# Altium PCB BB.PcbDoc (part 1 of 5)
Units mil, origin at the board's own origin, x right, y up, seen from the top; angles counter-clockwise.
Board outline 6700 x 3500 mil, 4 copper layers (Component Side, Ground Plane, Power Plane, Solder Side), stack 61.197 mil thick; 420 components, 358 nets, 1634 pads, 962 vias.
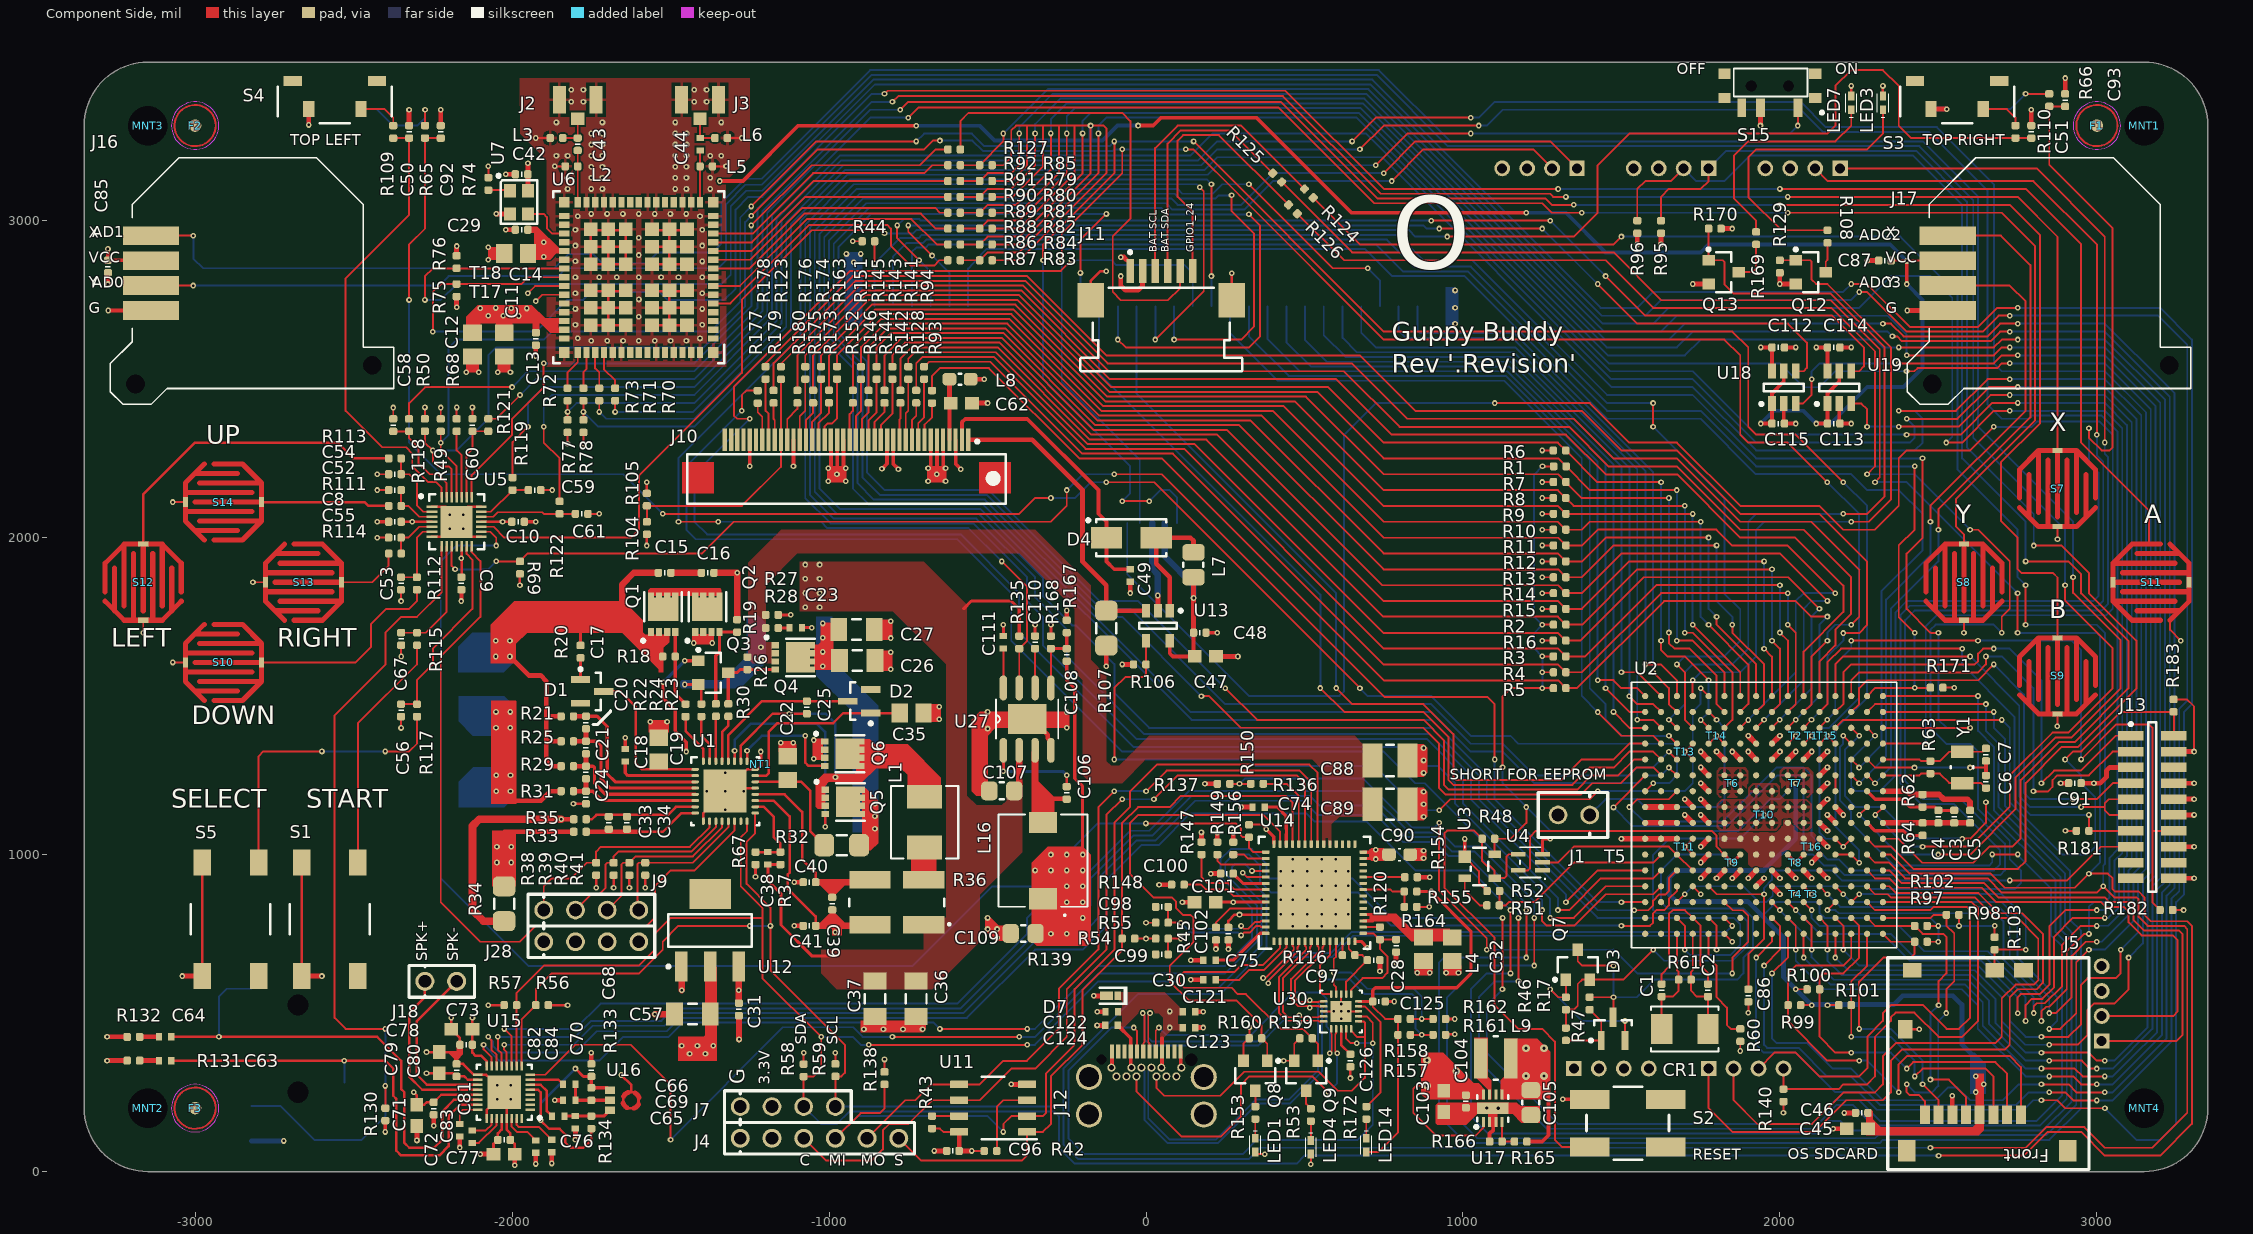
[diagram p0: Component Side view]
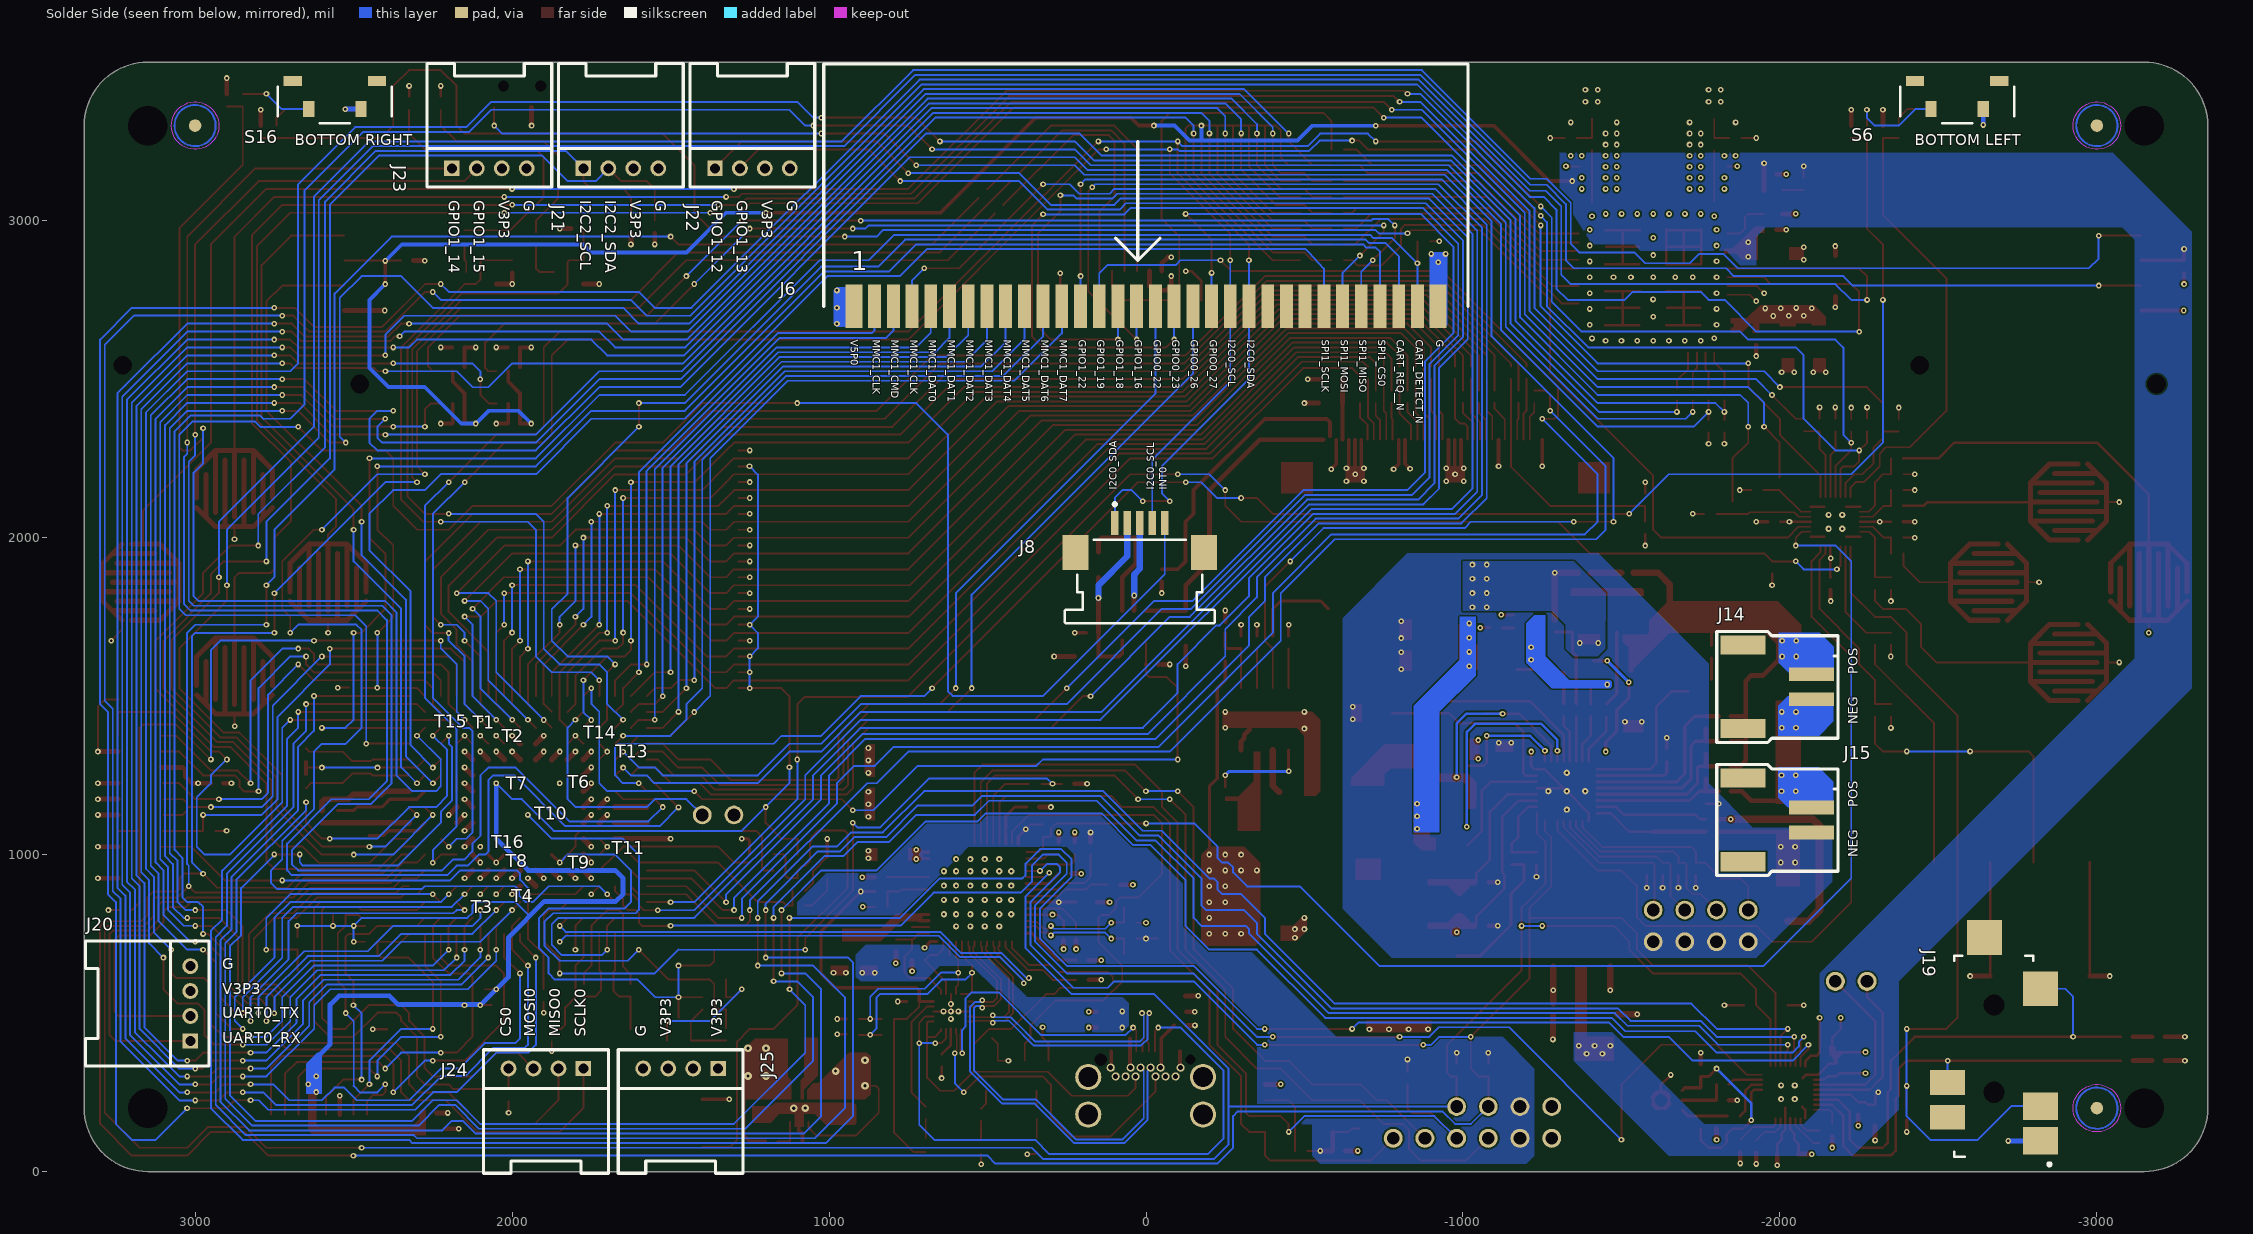
[diagram p1: Solder Side view, seen from below]
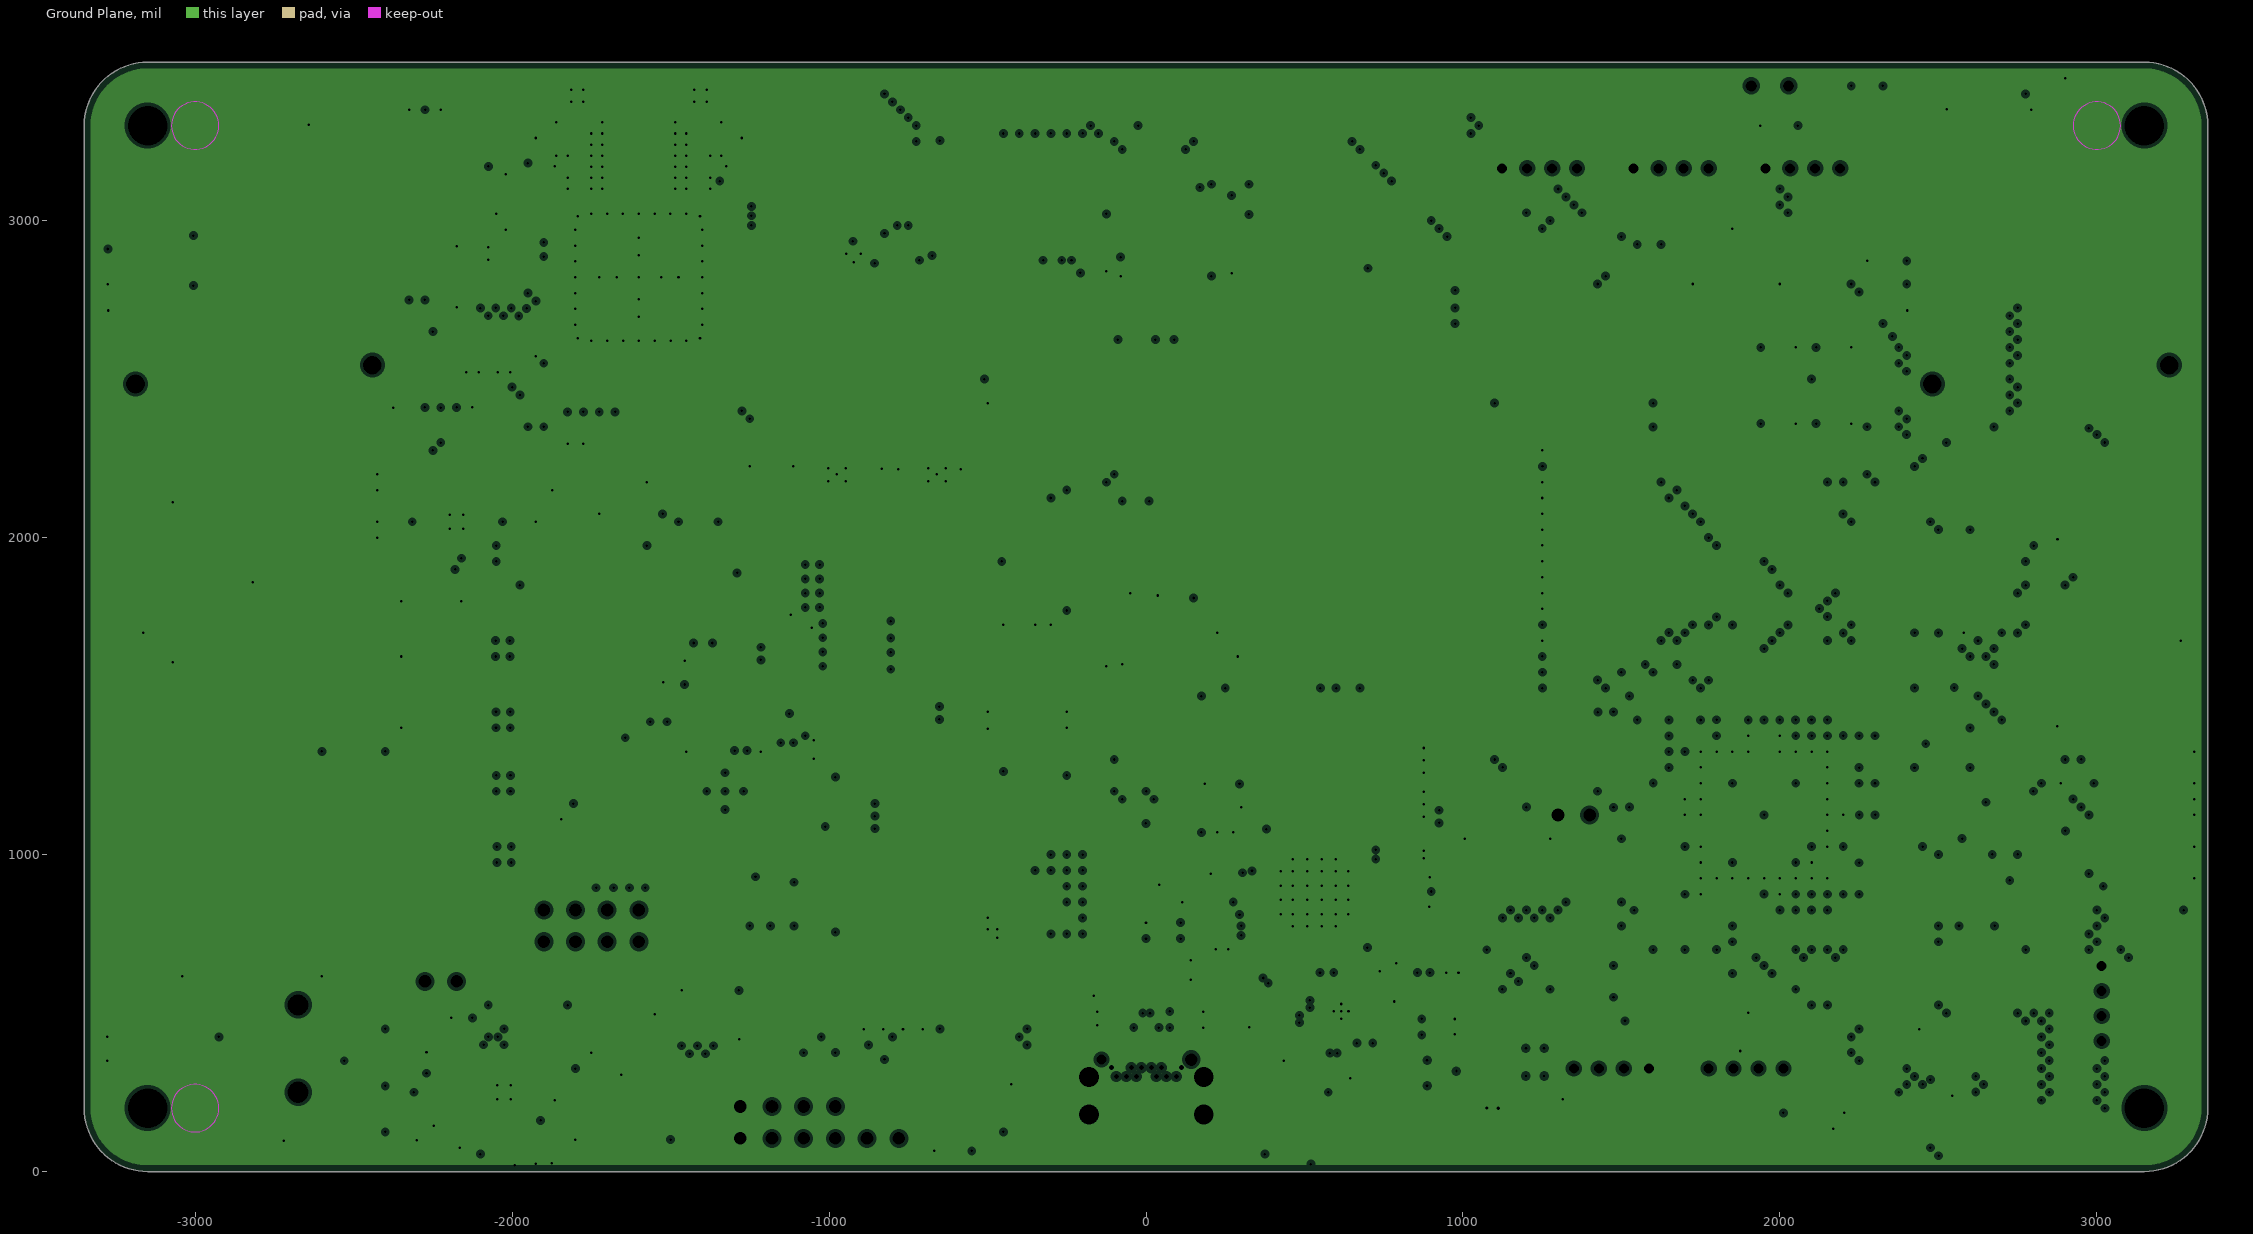
[diagram p2: Ground Plane, clearances drawn from the general rule]
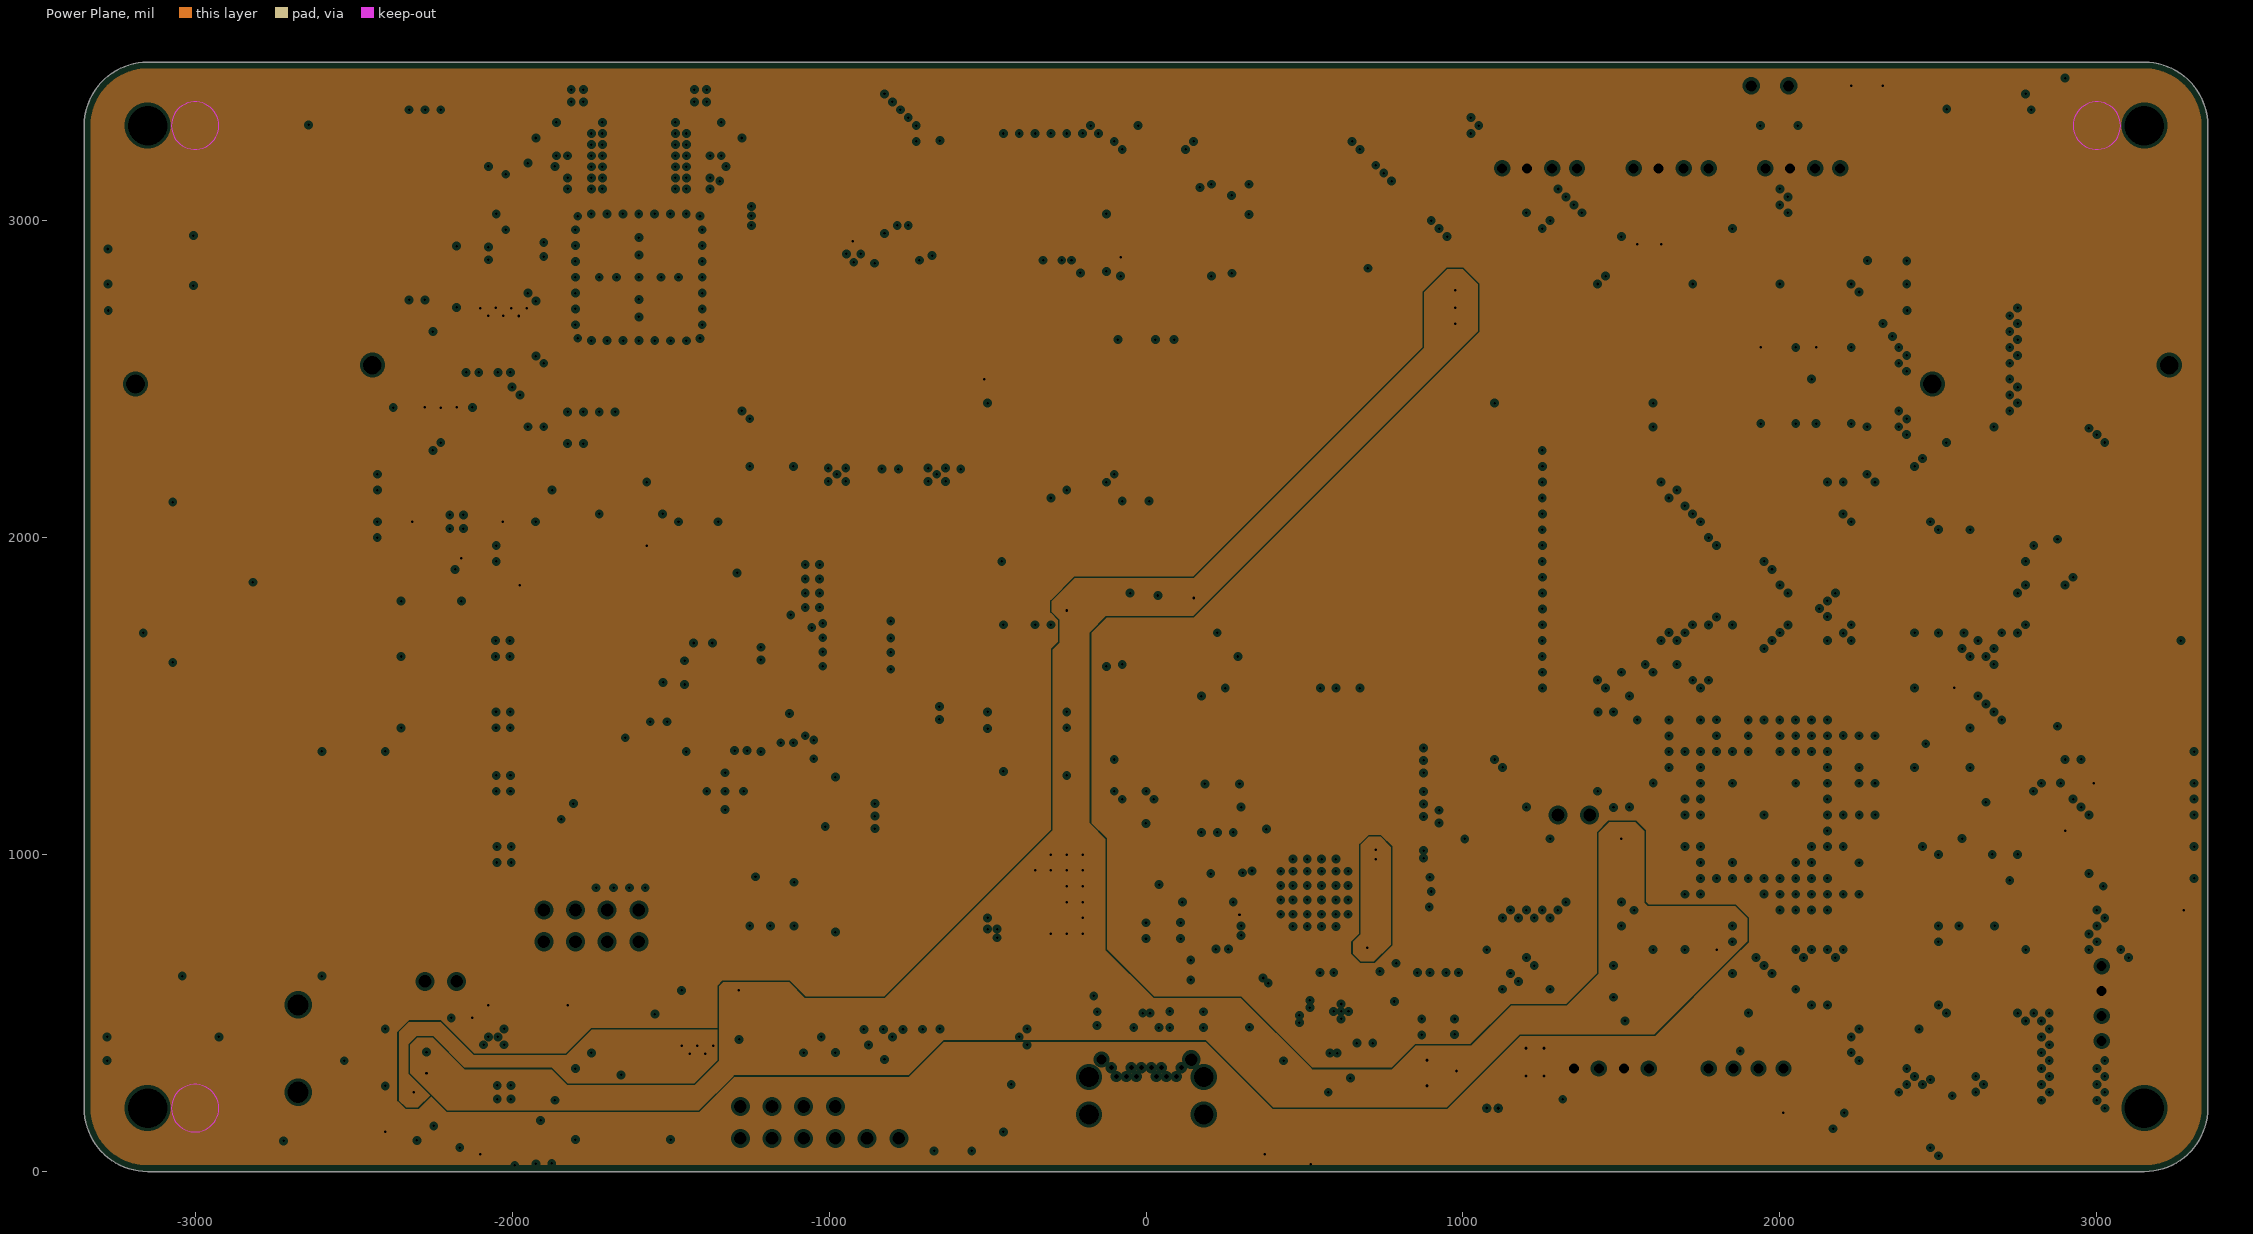
[diagram p3: Power Plane, clearances drawn from the general rule]
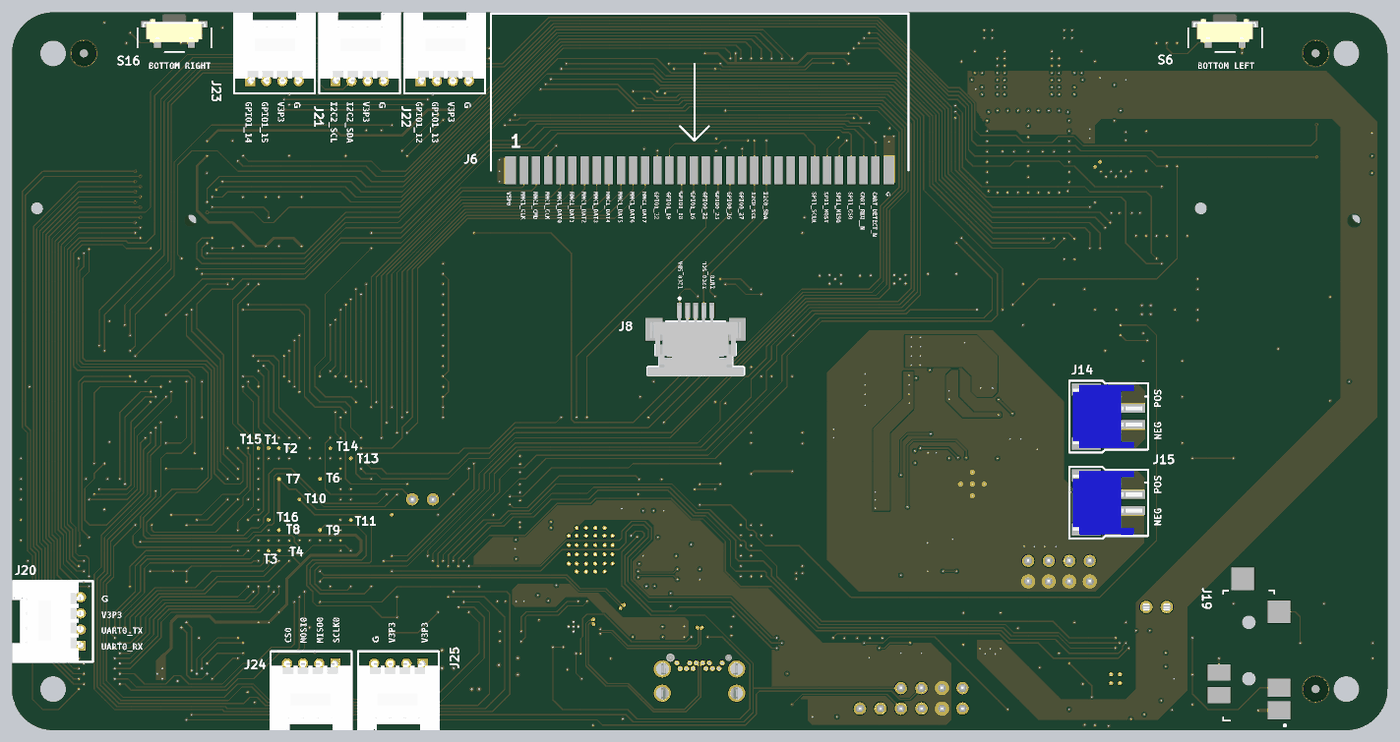
[diagram p8: 3D render of the assembled board from below, using the file's embedded part models]

## Layer stack, top to bottom
Top Solder: solder mask 0.4, Solder Resist, Dk 3.5
Component Side: signal copper 1.4
Dielectric 1: core 19.9075, FR-4, Dk 4.8
Ground Plane: plane copper 1.4169, net GND
Dielectric 3: prepreg 15.748, Dk 4.2
Power Plane: plane copper 1.4169, net (Multiple Nets)
Dielectric 4: core 19.9075, Dk 4.2
Solder Side: signal copper 1.4
Bottom Solder: solder mask 0.4, Solder Resist, Dk 3.5

## Board outline
-3350,200 ccw(c-3150,200) -3150,0 3150,0 ccw(c3150,200) 3350,200 3350,3300 ccw(c3150,3300) 3150,3500 -3150,3500 ccw(c-3150,3300) -3350,3300

## Design rules (kind name [scope] priority, off if disabled: settings)
Clearance PGND_GND [InNet('GND') vs InNet('PGND')] p1: gap=1 ignorepadtopadclearanceinfootprint=TRUE except(0: Arc-Hole Track-Hole SMDPad-Hole THPad-Hole Via-Hole Fill-Hole Poly-Hole Region-Hole Text-Hole)
Clearance [All] p2: gap=5 ignorepadtopadclearanceinfootprint=TRUE except(0: Arc-Hole Track-Hole SMDPad-Hole THPad-Hole Via-Hole Fill-Hole Poly-Hole Region-Hole Text-Hole)
DiffPairsRouting [All] p1: maxlimit=10 minlimit=5 mostfreqgap=6 toplayer_minwidth=5 toplayer_maxwidth=15 toplayer_prefwidth=6 bottomlayer_minwidth=5 bottomlayer_maxwidth=15 bottomlayer_prefwidth=6 maxuncoupledlength=500
HoleSize [All] p1: absolutevalues=TRUE maxlimit=125 minlimit=1 maxpercent=80.000 minpercent=20.000
MinimumSolderMaskSliver [All] p1: minsoldermaskwidth=3
NetAntennae [Footprint='S_GB_BTN'] p1: netantennaetolerance=0
PlaneClearance [All] p1: clearance=10
PlaneConnect USBC_CONN [(InComponent('J12') AND InNet('GND'))] p1: planeconnectstyle=Direct reliefexpansion=20 reliefentries=4 reliefconductorwidth=10 reliefairgap=10
PlaneConnect USBC_CONN_1 [InNet('GND')] p2: planeconnectstyle=Direct reliefexpansion=20 reliefentries=4 reliefconductorwidth=10 reliefairgap=10
PlaneConnect [All] p3: planeconnectstyle=Direct reliefexpansion=20 reliefentries=4 reliefconductorwidth=10 reliefairgap=10
PolygonConnect VBUS_POLYGON [All vs IsNamedPolygon('VBUS_L04_P029')] p1: connectstyle=Direct reliefconductorwidth=10 reliefentries=4 polygonreliefangle="90 Angle" airgapwidth=10
PolygonConnect VBUS1_POLYGON [All vs IsNamedPolygon('VBUS_L01_P027')] p2: connectstyle=Direct reliefconductorwidth=10 reliefentries=4 polygonreliefangle="90 Angle" airgapwidth=10
PolygonConnect V_USB_POLYGON [All vs IsNamedPolygon('V_USB_HV_L01_P025')] p3: connectstyle=Direct reliefconductorwidth=10 reliefentries=4 polygonreliefangle="90 Angle" airgapwidth=10
PolygonConnect WIFI_GND_CON_STYLE_1 [All vs IsNamedPolygon('GND_L01_P021')] p4: thpad.connectstyle=Relief thpad.reliefconductorwidth=10 thpad.reliefentries=4 thpad.polygonreliefangle="90 Angle" thpad.airgapwidth=10 smdpad.connectstyle=Relief smdpad.reliefconductorwidth=10 smdpad.reliefentries=4 smdpad.polygonreliefangle="90 Angle" smdpad.airgapwidth=10 via.connectstyle=Direct via.reliefconductorwidth=10 via.reliefentries=4 via.polygonreliefangle="90 Angle" via.airgapwidth=10
PolygonConnect MAIN_GND [All] p5: connectstyle=Direct reliefconductorwidth=10 reliefentries=4 polygonreliefangle="90 Angle" airgapwidth=10
PolygonConnect [All] p6: connectstyle=Relief reliefconductorwidth=10 reliefentries=4 polygonreliefangle="90 Angle" airgapwidth=10
RoutingLayers [All] p1: top layer_v5=FALSE bottom layer_v5=TRUE
RoutingVias [All] p1: holewidth=8 width=18 viastyle="Through Hole" minholewidth=8 minwidth=18 maxholewidth=28 maxwidth=50
SilkToSilkClearance [All] p1: silktosilkclearance=1
SilkToSolderMaskClearance [IsPad] p1: minsilkscreentomaskgap=1 clearancetoexposedcopper=TRUE
SolderMaskExpansion [All] p1: expansion=4
Width [All] p1: maxlimit=50 minlimit=6 preferedwidth=6 minimp=50.000000 maximp=50.000000 favimp=50.000000
21 further rules are at their usual default settings.

## Classes and differential pairs
differential pair SBU: +SBU_P -SBU_N
differential pair USB_2P0: +USB_2P0_P -USB_2P0_N
differential pair C_USB_T: +C_USB_T_P -C_USB_T_N
differential pair C_USB_B: +C_USB_B_P -C_USB_B_N
differential pair AUX: +AUX_P -AUX_N
differential pair AUX_C: +AUX_C_P -AUX_C_N

## Components (designator, comment, footprint, x,y, rotation, side; value= is the part's Value field where it differs from the comment)
C1 "C_0402_18PF_50V" C_0402 1627,571.68 r270 top
C2 "C_0402_18PF_50V" C_0402 1773,571.68 r270 top
C3 "C_0402_0.1UF_25V" C_0402 2550,1119.57 r90 top
C4 "C_0402_0.1UF_25V" C_0402 2499.9,1119.69 r90 top
C5 "C_0402_0.1UF_25V" C_0402 2600,1119.57 r90 top
C6 "C_0402_18PF_50V" C_0402 2650,1229.69 r270 top
C7 "C_0402_18PF_50V" C_0402 2650,1315.31 r90 top
C8 "C_0402_0.1UF_25V" C_0402 -2369.69,2050 r0 top
C9 "C_0402_0.1UF_25V" C_0402 -2160,1855.32 r90 top
C10 "C_0402_0.1UF_25V" C_0402 -1981.06,2050 r180 top
C11 "10µF" C_ERA-0805 -2025,2609.04 r90 top
C12 "10µF" C_ERA-0805 -2125,2609.04 r90 top
C13 "C_0402_0.1UF_25V" C_0402 -1925,2626.75 r90 top
C14 "10µF" C_ERA-0805 -1987.4,2896.44 r0 top
C15 "C_0402_0.1UF_25V" C_0402 -1518.62,1888.98 r180 top
C16 "C_0402_0.1UF_25V" C_0402 -1382.8,1888.98 r180 top
C17 "C_0402_0.1UF_25V" C_0402 -1766.85,1416.54 r90 top
C18 "C_0402_2.2uF_35V" C_ERA-0402 -1643.11,1313.58 r270 top
C19 "1.0uF" C_ERA-0805 -1537.64,1331.3 r270 top
C20 "C_0402_0.1UF_25V" C_0402 -1766.85,1337.8 r90 top
C21 "C_0402_0.1UF_25V" C_0402 -1766.85,1259.06 r90 top
C22 "1.0uF" C_ERA-0805 -1130.67,1272.7 r270 top
C23 "C_0402_2.2uF_35V" C_ERA-0402 -1105,1716.07 r180 top
C24 "C_0402_0.1UF_25V" C_0402 -1766.85,1180.31 r90 top
C25 "C_0402_0.1UF_25V" C_0402 -1069.8,1464.25 r90 top
C26 "10µF" CAP-1206 -911.34,1612.68 r180 top
C27 "10µF" CAP-1206 -913.31,1709.84 r180 top
C28 "220pF" C_0402 789.13,712.28 r90 top
C29 "1.0uF" C_0402 -1969.68,2971.44 r0 top
C30 "C_0402_0.22UF_50V" C_ERA-0402 200.32,604.77 r0 top
C31 "C_0402_0.1UF_25V" C_0402 -1284.45,511.5 r90 top
C32 "1.0uF" C_ERA-0805 966.3,701.36 r90 top
C33 "C_0402_0.1UF_25V" C_0402 -1695,1099.89 r90 top
C34 "100pF" C_0402 -1637.68,1100 r270 top
C35 "C_0805_1.5uF_25V" C_ERA-0805 -739.8,1446.54 r180 top
C36 "10µF" CAP-1206 -725,545.51 r270 top
C37 "10µF" CAP-1206 -854.92,545.51 r270 top
C38 "22pF" C_ERA-0402 -1192.62,988.07 r270 top
C39 "C_0402_0.1UF_25V" C_0402 -990,845 r90 top
C40 "C_0402_0.1UF_25V" C_0402 -1061.81,912.91 r180 top
C41 "C_0402_0.1UF_25V" C_0402 -1061.81,775.12 r180 top
C42 "C_0402_0.1UF_25V" C_0402 -1969.69,3146.44 r0 top
C43 "10pF" C_0402 -1792.91,3241.12 r270 top
C44 "10pF" C_ERA-0402 -1407.09,3241.12 r270 top
C45 "C_0603_10µF" C_ERA-0603 2244.41,135 r0 top
C46 "C_0402_0.1UF_25V" C_0402 2258.19,185 r0 top
C47 "C_0603_10µF" C_ERA-0603 187.32,1625 r180 top
C48 "C_0402_0.1UF_25V" C_0402 169.61,1700 r180 top
C49 "C_0402_2.2uF_35V" C_ERA-0402 -50.08,1880.32 r90 top
C50 "C_0402_0.1UF_25V" C_0402 -2325,3280.31 r270 top
C51 "C_0402_0.1UF_25V" C_0402 2793.11,3280.31 r270 top
C52 "C_0402_0.1UF_25V" C_0402 -2369.68,2150 r0 top
C53 "C_0402_0.1UF_25V" C_0402 -2350.31,1855.31 r90 top
C54 "C_0402_0.1UF_25V" C_0402 -2369.68,2200 r0 top
C55 "C_0402_0.1UF_25V" C_0402 -2370,2000 r0 top
C56 "C_0402_0.1UF_25V" C_0402 -2350.31,1454.98 r90 top
C57 "10µF" CAP-1206 -1431.1,496.65 r0 top
C58 "C_0402_0.1UF_25V" C_0402 -2375,2355 r270 top
C59 "C_0402_0.1UF_25V" C_0402 -1928.92,2150 r180 top
C60 "C_0402_0.1UF_25V" C_0402 -2125.06,2355.31 r270 top
C61 "C_0402_0.1UF_25V" C_0402 -1780.31,2075 r180 top
C62 "C_0603_10µF" C_ERA-0603 -582.68,2424.67 r180 top
C63 "C_0402_0.22UF_50V" C_ERA-0402 -3094.69,350 r0 top
C64 "C_0402_0.22UF_50V" C_ERA-0402 -3094.69,425 r0 top
C65 "1000pF" C_ERA-0402 -1854.68,175 r0 top
C66 "1000pF" C_ERA-0402 -1819.68,275 r0 top
C67 "C_0402_0.1UF_25V" C_0402 -2350,1680.31 r90 top
C68 "C_0402_0.1UF_25V" C_0402 -1750,319.69 r270 top
C69 "1000pF" C_ERA-0402 -1819.68,224.84 r180 top
C70 "1000pF" C_ERA-0402 -1800,155.32 r270 top
C71 "C_0603_10µF" C_ERA-0603 -2300.16,177.24 r90 top
C72 "C_0402_0.1UF_25V" C_0402 -2247.34,198.75 r90 top
C73 "C_0603_10µF" C_ERA-0603 -2158.46,448.86 r0 top
C74 "C_0402_2.2uF_35V" C_ERA-0402 355.31,1150 r0 top
C75 "C_0402_2.2uF_35V" C_ERA-0402 200.31,667.01 r0 top
C76 "C_0402_0.1UF_25V" C_0402 -2025.18,100 r180 top
C77 "C_0603_10µF" C_ERA-0603 -2025.18,55 r180 top
C78 "C_0402_0.1UF_25V" C_0402 -2144.69,400 r0 top
C79 "C_0603_10µF" C_ERA-0603 -2230,343.46 r270 top
C80 "C_0402_0.1UF_25V" C_0402 -2175,319.69 r270 top
C81 "C_0402_2.2uF_35V" C_ERA-0402 -2125,110 r90 top
C82 "C_0402_2.2uF_35V" C_ERA-0402 -1925,78.62 r90 top
C83 "C_0402_2.2uF_35V" C_ERA-0402 -2165,130.32 r90 top
C84 "C_0402_2.2uF_35V" C_ERA-0402 -1875,80.32 r90 top
C85 "C_0402_0.1UF_25V" C_0402 -3275,2855.31 r90 top
C86 "C_0402_0.1UF_25V" C_0402 1900.41,555.31 r90 top
C87 "C_0402_0.1UF_25V" C_0402 2331.3,2874.02 r0 top
C88 "22µF" C_14-1210 770,1296.93 r180 top
C89 "22µF" C_14-1210 770,1159.13 r180 top
C90 "4.7µF" C_0603 800,1000 r180 top
C91 "C_0402_0.1UF_25V" C_0402 2930.31,1225.33 r0 top
C92 "C_0402_0.1UF_25V" C_0402 -2225,3280.31 r270 top
C93 "C_0402_0.1UF_25V" C_0402 2900,3380.31 r270 top
C96 "C_0402_0.1UF_25V" C_0402 -609.25,65 r0 top
C97 "220pF" C_0402 718.27,667.01 r180 top
C98 "C_0402_0.1UF_25V" C_0402 50.32,835 r180 top
C99 "C_0402_0.1UF_25V" C_0402 50.32,685.1 r180 top
C100 "1.0uF" C_0402 255.31,940 r0 top
C101 "C_0603_10µF" C_ERA-0603 186.54,850.08 r0 top
C102 "1.0uF" C_0402 260,750.31 r90 top
C103 "C_0603_10µF" C_ERA-0603 939.37,221.3 r90 top
C104 "C_0402_0.1UF_25V" C_0402 1009.37,221.3 r90 top
C105 "22µF" C_0805 1214.37,217.51 r90 top
C106 "C_0402_0.1UF_25V" C_0402 -250.08,1194.69 r90 top
C107 "22µF" C_0805 -455,1200.93 r0 top
C108 "10pF" C_0402 -250,1630.32 r270 top
C109 "22µF" C_0805 -387.6,751.25 r0 top
C110 "1.0uF" C_0402 -350,1669.69 r270 top
C111 "C_0402_8.2NF" C_ERA-0402 -450,1669.69 r270 top
C112 "C_0402_0.1UF_25V" C_0402 1994.69,2600 r180 top
C113 "C_0402_0.1UF_25V" C_0402 2169.69,2360 r180 top
C114 "C_0402_0.1UF_25V" C_0402 2169.69,2600 r180 top
C115 "C_0402_0.1UF_25V" C_0402 1994.69,2360 r180 top
C121 "10000pF" C_ERA-0402 135.63,504.21 r180 top
C122 "10000pF" C_ERA-0402 -108.43,504.21 r0 top
C123 "10000pF" C_ERA-0402 135.63,454.21 r180 top
C124 "10000pF" C_ERA-0402 -109.13,461.06 r0 top
C125 "1.0uF" C_0402 735,536.5 r180 top
C126 "C_0402_0.1UF_25V" C_0402 645,350.31 r90 top
CR1 "Y_7A-24.000MAAJ-T" CRYSTAL_TXC_7A 1700,450 r180 top value=Value
D1 "BAT54" SOT23 -1747.68,1515 r0 top
D2 "BAT54" SOT23 -904.8,1483.94 r180 top
D3 "D_TLVH431AIDBZR" SOT23 1473.8,449.88 r90 top value=Value
D4 "B1100-13-F" DIOM5226X23L -46.34,1999.67 r0 top
D7 "D_SCHOTT_30V_2A_XDFN" DSN2_0603 -113.94,554.21 r180 top
F1 "Fudicial" "FIDUCIAL ROUND" 3000,3300 r0 top locked
F2 "Fudicial" "FIDUCIAL ROUND" -3000,3300 r0 top locked
F3 "Fudicial" "FIDUCIAL ROUND" -3000,200 r0 top locked
J1 "J_HDR1X2_JUMPER" HDR_1X2 1400,1125 r180 top locked
J2 "U.FL-R-SMT-1(10)" U.FL-R-SMT-1 -1792.91,3381.48 r0 top
J3 "U.FL-R-SMT-1(10)" U.FL-R-SMT-1 -1407.09,3381.48 r0 top
J4 "J_HDR1X6_THRHOLE_VERT" HDR_1X6 -1280,105 r0 top